# KiCad board frankenso.kicad_pcb (continued)
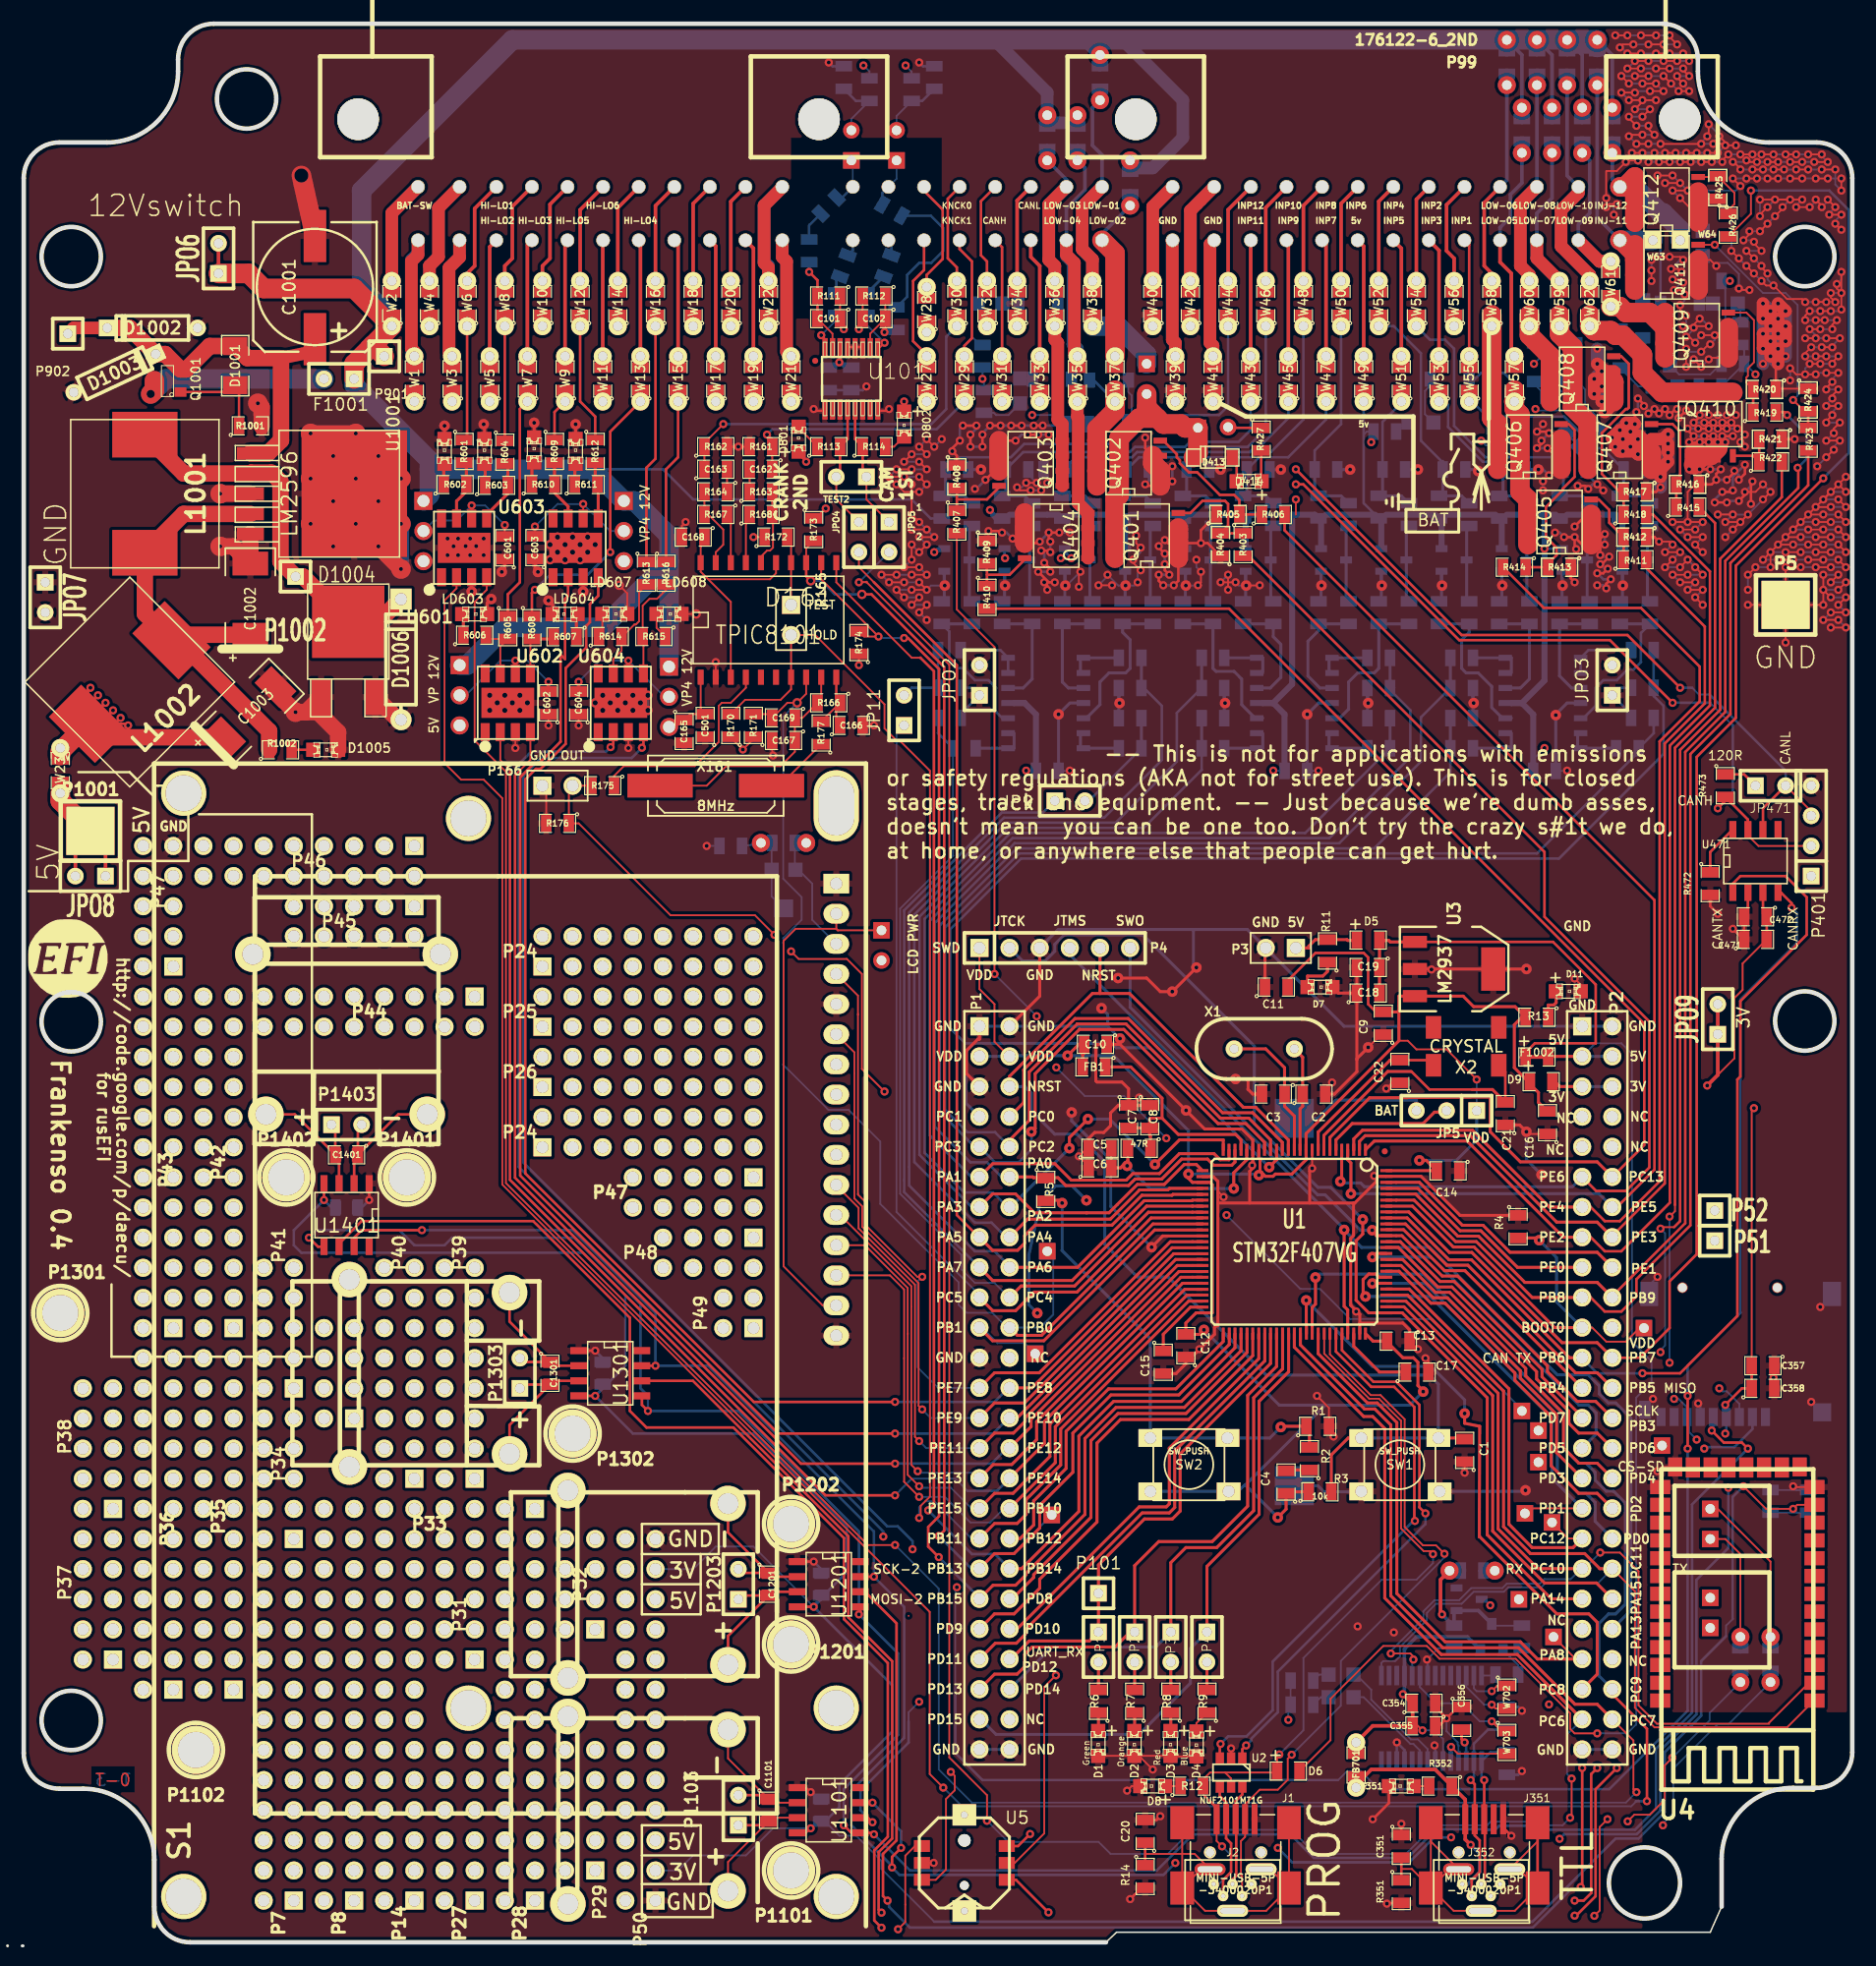
[diagram p0: board, top side]
## Nets (continued)
N-00000124: P99.12 W2.2
N-00000127: U5.3 W103.1
N-00000129: U5.1 W102.1
N-00000133: R99.2 RV101.1 RV101.2 W101.2
N-00000146: P99.55 W46.2
N-00000147: P99.35 W32.2
N-00000148: P99.26 W29.2
N-00000149: P99.27 W31.2
N-00000150: D12.1 P99.29 W35.2
N-00000151: D20.1 P99.50 W61.2
N-00000152: D17.1 P99.61 W58.2
N-00000153: D19.1 P99.62 W60.2
N-00000154: D21.1 P99.63 W62.2
N-00000156: P99.11 W21.2
N-00000157: P99.21 W20.2
N-00000158: P99.22 W22.2
N-00000159: D14.1 P99.30 W37.2
N-00000160: D15.1 P99.38 W38.2
N-00000161: P99.52 W40.2
N-00000162: P99.40 W41.2
N-00000163: D13.1 P99.37 W36.2
N-00000164: P99.53 W42.2
N-00000165: P99.41 W43.2
N-00000166: P99.54 W44.2
N-00000167: P99.42 W45.2
N-00000168: D16.1 P99.48 W57.2
N-00000169: P99.39 W39.2
N-00000170: D18.1 P99.49 W59.2
N-00000171: P99.10 W19.2
N-00000172: P99.25 W27.2
N-00000173: P99.33 W28.2
N-00000174: P99.28 W33.2
N-00000175: P99.36 W34.2
N-00000197: P99.6 W11.2
N-00000198: P99.13 W4.2
N-00000200: P99.3 W5.2
N-00000201: P99.14 W6.2
N-00000202: P99.4 W7.2
N-00000203: P99.15 W8.2
N-00000204: P99.5 W9.2
N-00000205: P99.16 W10.2
N-00000207: P99.2 W3.2
N-00000208: P99.17 W12.2
N-00000209: P99.7 W13.2
N-00000210: P99.18 W14.2
N-00000211: P99.8 W15.2
N-00000212: P99.19 W16.2
N-00000214: P99.9 W17.2
N-00000215: P99.20 W18.2
N-00000224: P99.34 W30.2
N-00000232: P99.1 W1.2
N-00000243: D435.2 D436.1
N-00000244: D435.1 R437.1
N-00000245: D431.1 R435.1
N-00000246: D429.2 D430.1
N-00000247: D429.1 R434.1
N-00000248: D431.2 D432.1
N-00000249: D433.2 D434.1
N-00000250: D433.1 R436.1
N-00000251: Q404.1 R409.2 R410.1
N-00000252: Q402.1 R405.2 R406.1
N-00000253: Q406.1 R413.2 R414.1
N-00000254: D415.2 D416.1
N-00000255: D414.1 R427.2
N-00000256: D413.1 D414.2
N-00000257: D425.2 D426.1
N-00000258: D421.2 D422.1
N-00000259: D421.1 R430.1
N-00000260: D423.2 D424.1
N-00000261: D423.1 R431.1
N-00000262: D425.1 R432.1
N-00000263: D427.2 D428.1
N-00000264: D427.1 R433.1
N-00000265: D415.1 R438.1
N-00000266: D417.2 D418.1
N-00000267: D417.1 R428.1
N-00000268: D419.2 D420.1
N-00000269: D419.1 R429.1
N-00000270: Q411.1 R423.1 R424.2
N-00000271: Q409.1 R419.1 R420.2
N-00000273: Q410.1 R421.2 R422.1
N-00000274: Q408.1 R417.2 R418.1
N-00000275: Q412.1 R425.2 R426.1
N-00000277: Q401.1 R403.1 R404.2
N-00000278: Q403.1 R407.1 R408.2
N-00000279: Q405.1 R411.1 R412.2
N-00000280: Q407.1 R415.1 R416.2
N-00000281: D220.2 R222.2 R223.1
N-00000282: D210.2 R212.2 R213.1
N-00000283: R294.1 U203.13 U203.14
N-00000284: R304.1 U203.8 U203.9
N-00000285: C250.2 R253.2 U202.12
N-00000286: C260.2 R263.2 U202.10
N-00000287: D300.2 R302.2 R303.1
N-00000288: D250.2 R252.2 R253.1
N-00000289: D260.2 R262.2 R263.1
N-00000290: D290.2 R292.2 R293.1
N-00000291: D270.2 R272.2 R273.1
N-00000292: D280.2 R282.2 R283.1
N-00000293: R314.1 U203.6 U203.7
N-00000294: C300.2 R303.2 U203.10
N-00000295: C290.2 R293.2 U203.12
N-00000296: C230.2 R233.2 U201.5
N-00000297: R234.1 U201.6 U201.7
N-00000298: R244.1 U201.1 U201.2
N-00000299: C240.2 R243.2 U201.3
N-00000300: R224.1 U201.8 U201.9
N-00000301: R274.1 U202.6 U202.7
N-00000302: R264.1 U202.8 U202.9
N-00000303: C280.2 R283.2 U202.3
N-00000304: R254.1 U202.13 U202.14
N-00000305: D310.2 R312.2 R313.1
N-00000306: R284.1 U202.1 U202.2
N-00000307: C270.2 R273.2 U202.5
N-00000308: C220.2 R223.2 U201.10
N-00000312: R214.1 U201.13 U201.14
N-00000313: C210.2 R213.2 U201.12
N-00000314: R324.1 U203.1 U203.2
N-00000315: C310.2 R313.2 U203.5
N-00000316: C320.2 R323.2 U203.3
N-00000317: D320.2 R322.2 R323.1
N-00000320: JP9.2 R294.2 R295.1
N-00000321: D230.2 R232.2 R233.1
N-00000322: D240.2 R242.2 R243.1
N-00000324: JP11.2 R314.2 R315.1
N-00000343: D702.1 R702.2
N-00000344: D702.2 U351.22
N-00000345: D701.1 R701.2
N-00000346: D701.2 U351.23
N-00000348: C701.2 C702.1 D703.1 Q701.3 W701.2
N-00000353: C701.1 Q701.1 R703.1
N-00000364: C356.2 U351.17
N-00000365: D351.1 R352.2
N-00000372: JP471.1 R473.1
N-00000373: R472.1 U471.8
N-00000376: R104.2 R109.1
N-00000377: R102.2 R107.1
N-00000379: R106.2 R110.1
N-00000380: R103.2 R108.1
N-00000381: R137.2 R801.2 W1002.2
N-00000382: R141.2 R802.2 W1003.2
N-00000384: D801.2 R113.1
N-00000385: D802.2 R114.2
N-00000387: C102.1 R110.2 R112.1 U101.10
N-00000388: C101.2 R107.2 R111.2 U101.15
N-00000389: C101.1 R108.2 R111.1 U101.16
N-00000390: C102.2 R109.2 R112.2 U101.9
N-00000392: LD604.1 R607.1
N-00000393: LD603.1 R606.1
N-00000394: LD602.1 R603.1
N-00000395: R603.2 R604.2 U601.5
N-00000399: R607.2 R608.2 U602.5
N-00000402: R605.2 R606.2 U602.7
N-00000403: R601.2 R602.2 U601.7
N-00000404: LD601.1 R602.1
N-00000405: LD605.1 R610.1
N-00000406: R609.2 R610.2 U603.7
N-00000410: LD607.1 R614.1
N-00000411: R613.2 R614.2 U604.7
N-00000412: LD606.1 R611.1
N-00000413: R611.2 R612.2 U603.5
N-00000417: R615.2 R616.2 U604.5
N-00000418: LD608.1 R615.1
N-00000419: R177.1 X161.2
N-00000421: C167.1 C169.1 D161.9 R166.2 X161.1
N-00000422: C166.1 D161.10 R166.1 R177.2
N-00000423: C163.2 R164.1
N-00000425: C162.2 R163.1
N-00000426: D161.16 R163.2 R168.2
N-00000427: D161.19 R164.2 R167.2
N-00000430: D161.17 R168.1
N-00000431: D161.18 R167.1
N-00000432: C168.1 D161.3 D161.15 D161.20
N-00000433: D1001.1 Q1001.1 R1001.1
N-00000438: D1005.1 R1002.2
N-00000440: C5.2 C6.2 R10.2 U1.21
N-00000441: C22.2 U1.9 X2.1
N-00000445: C21.2 U1.8 X2.2
N-00000446: C2.1 U1.12 X1.2
N-00000448: D4.1 R9.1
N-00000449: D7.1 R11.1
N-00000450: D8.1 R12.1
N-00000451: D11.1 R13.1
N-00000454: D1.1 R6.1
N-00000455: D2.1 R7.1
N-00000456: D3.1 R8.1
N-00000463: JP4.2 R9.2
N-00000464: JP3.2 R8.2
N-00000465: JP2.2 R7.2
N-00000466: JP1.2 R6.2
N-00000467: R1.1 R2.2 R5.2 SW2.1
N-00000468: D5.1 P3.1 R11.2
N-00000470: BT1.1 JP5.3
N-00000471: JP5.2 U1.6
N-00000475: C3.1 U1.13 X1.1
N-00000476: C17.1 U1.73
N-00000477: C15.1 U1.49
N-00000478: C4.2 R2.1
N-00000479: C7.2 C8.2 FB1.1 R10.1 U1.22

Pads without a net: D161 5 6; D703 3; J351 4; J352 4; P1 24 48; P2 7 8 9 10 22 41 44; P7 1 2 3 4 5 6 7 8 9 10 11 12 13 14 15 16 17 18 19 20 21 22 23 24; P8 1 2 3 4 5 6 7 8 9 10 11 12 13 14 15 16 17 18 19 20 21 22 23 24; P14 1 2 3 4 5 6 7 8 9 10 11 12 13 14 15 16 17 18 19 20 21 22 23 24; P24 1 2 3 4 5 6 7 8 9 10 11 12 13 14 15 16; P24#2 1 2 3 4 5 6 7 8 9 10 11 12 13 14 15 16; P25 1 2 3 4 5 6 7 8 9 10 11 12 13 14 15 16; P26 1 2 3 4 5 6 7 8 9 10 11 12 13 14 15 16; P27 1 2 3 4 5 6 7 8 9 10 11 12; P28 1 2 3 4 5 6 7 8 9 10 11 12 13 14 15 16 17 18 19 20 21 22 23 24; P29 1 2 3 4 5 6 7 8 9 10; P31 1 2 3 4 5 6 7 8; P32 1 2 3 4 5 6 7 8; P33 1 2 3 4 5 6 7 8 9 10 11 12 13 14 15 16; P34 1 2 3 4 5 6 7 8 9 10; P35 1 2 3 4 5 6 7 8 9 10 11 12 13 14 15 16 17 18 19 20 21 22 23 24; P36 1 2 3 4 5 6 7 8 9 10 11 12 13 14 15 16 17 18 19 20 21 22 23 24; P37 1 2 3 4 5 6 7 8 9 10; P38 1 2 3 4 5 6 7 8 9 10; P39 1 2 3 4 5 6 7 8 9 10 11 12 13 14 15 16; P40 1 2 3 4 5 6 7 8 9 10 11 12 13 14 15 16; P41 1 2 3 4 5 6 7 8 9 10; P42 1 2 3 4 5 6 7 8 9 10 11 12 13 14 15 16 17 18 19 20 21 22 23 24; P43 1 2 3 4 5 6 7 8 9 10 11 12 13 14 15 16 17 18 19 20 21 22 23 24; P44 1 2 3 4 5 6 7 8 9 10 11 12 13 14 15 16; P45 1 2 3 4 5 6 7 8 9 10; P46 1 2 3 4 5 6 7 8 9 10 11 12 13 14 15 16; P47 1 2 3 4 5 6 7 8; P48 1 2 3 4 5 6 7 8; P49 1 2 3 4; P50 2 4 6 7 8 9 10 11 12 13 14 15 16 17 18 19 20 22 24 26; P352 1 8 9; P1101 1; P1102 1; P1104 M; P1201 1; P1202 1; P1204 M; P1301 1; P1302 1; P1304 M; P1401 1; P1402 1; P1404 M; PIN_ARRAY_4X2 1 2 3 4 5 6 7 8; PIN_ARRAY_5X2 1 2 3 4 5 6 7 8 9 10; S1 7 8 9 10; U1 NC1; U4 3 4 5 6 7 8 9 10 11 14 15 16 17 18 19 20 23 24 25 26 27 28 29 30 31 32 33 34; U5 7; U101 2 7 NC; U351 2 3 8 9 10 11 24 27 28; U471 5; U601 1 8; U602 1 8; U603 1 8; U604 1 8; U1101 8; U1201 8; U1301 8; U1401 8; W1 1; W3 1; W4 1; W5 1; W10 1; W11 1; W14 1; W17 1; W18 1; W19 1; W20 1; W21 1; W22 1; W27 1; W28 1; W31 1; W32 1; W56 1; X2 3 4

## Via types
v1: diameter 0.889, hole 0.33, Top to Bottom, 80 vias
v2: diameter 0.686, hole 0.33, Top to Bottom, 873 vias
v3: diameter 0.79, hole 0.434, Top to Bottom, 39 vias
v4: diameter 1.092, hole 0.686, Top to Bottom, 1 via
v5: diameter 1.651, hole 0.33, Top to Bottom, 19 vias
v6: diameter 1.542, hole 1.186, Top to Bottom, 1 via

## Routing (per net, layer and track width the routed paths; a pad name or vN(x,y) marks a point on that pad's centre or on a via; arc(x,y) is an arc through that point)
/DD_HIP9011/5V: length 378.2
  Top w0.152: D6.2 110.14,17.04 110.14,20.53 114.59,24.98 118.25,24.98 119.33,23.9 125.74,23.9 130.34,19.31 130.34,17.99 130.72,17.61 v2(132.62,17.61) ; v2(65.95,124.8) 65.31,125.43 D801.1 ; v2(67.6,120.86) 66.77,120.04 R173.1 ; 54.39,102.45 54.96,103.02 C165.1 56.17,103.53 C501.2 57.06,103.91 D161.1 ; W49.1 W49.1 ; R170.1 59.6,101.56 v2(60.61,100.54) 61.5,101.43 R171.1 ; D802.1 v2(74.2,129.88) ; R172.1 v2(61.5,118.45) ; R174.1 v2(70.39,107.65)
  Top w0.216: v2(68.74,133.18) 68.8,133.24 U101.14 ; R401.2 101.57,127.66 R427.1 ; v2(128.18,117.48) 128.18,117.43 ; 132.58,17.65 v2(132.62,17.61) ; 126.21,74.62 127.36,75.78 132.49,75.78 132.49,80.73 128.9,84.33 U3.1
  Top w0.254: 114.27,84.45 114.66,84.45 ; 114.66,84.45 114.27,84.06 C19.1 C18.2 ; 114.66,84.45 115.04,84.45 115.17,84.33 U3.1 ; 131.35,74.67 128.62,74.67
  Top w0.305: 126.21,74.62 F1002.2 ; JPO8.2 4.35,92.41 P1001.1 6.89,92.41 JPO8.1
  Top w1.651: P1001.1 3.08,96.22 W23.1
  Bottom w0.152: v2(132.62,17.61) 135.16,17.61 135.9,18.35 135.9,45.91 137.19,47.2 137.19,48.98 135.54,50.63 135.54,74.89 134.65,75.78 132.45,75.78 131.35,74.67 ; v2(84.49,98.76) 84.51,98.74 C291.2 ; v2(105.32,98.76) 105.34,98.74 C251.1 ; v2(128.18,100.67) 127.22,99.72 C211.1 ; v2(74.33,158.2) 74.84,157.69 R141.1 ; v2(70.77,158.2) 71.28,157.69 R137.1 ; v2(106.59,18.75) 106.59,19.83 R701.1 R702.1 ; v2(123.6,28.4) 123.1,28.91 D703.2 ; R434.2 145,134.32 R436.2 144.62,134.64 143.42,135.85 143.42,139.72 R437.2 v2(143.8,140.04) ; R434.2 145.07,133.05 v2(145.96,132.16) ; R434.2 R435.2 ; v2(127.29,133.05) 127.73,133.5 R433.2 ; v2(122.84,126.58) 123.22,126.19 R431.2 ; v2(85,128.73) 86.9,128.73 87.66,127.97 R438.2 ; v2(113.57,126.45) 113.76,126.64 R430.2 113.19,127.34 112.94,127.08 ; v2(127.41,129.24) 127.54,129.12 130.34,129.12 130.8,128.65 R432.2 ; JPO8.1 6.89,92.41 P1001.1 4.35,92.41 JPO8.2 ; R428.2 v2(80.81,131.78) 80.93,131.66 R429.2
  Bottom w0.216: C104.1 68.3,132.74 v2(68.74,133.18) 69.18,132.74 C103.2 ; R250.2 112.94,121.31 W49.1 ; v2(81.44,120.73) 82.16,120.02 R310.2 ; v2(82.71,116.67) 82.67,116.71 D310.3 ; v2(88.3,116.67) 87.75,117.22 D300.3 87.75,117.01 v2(87.41,116.67) ; v2(76.74,117.18) 77.04,117.48 D320.3 ; D220.3 v2(128.18,117.48)
  Bottom w0.254: 83.09,120.33 82.77,120.02 R310.2 ; 87.22,120.33 R300.2 87.85,120.02 88.17,120.33 ; 92.3,120.33 R290.2 ; R290.2 92.83,119.8 ; R290.2 92.93,120.02 93.25,120.33 ; 97.38,120.33 R280.2 ; R280.2 97.91,119.8 ; R280.2 98.01,120.02 98.33,120.33 ; 102.46,120.33 R270.2 ; R270.2 102.99,119.8 ; R270.2 103.09,120.02 103.41,120.33 ; 106.9,120.33 106.59,120.33 ; 109.76,120.33 109.44,120.02 109.13,120.02 109.34,119.8 ; 113.89,120.33 114.21,120.02 ; 114.21,120.02 114.42,119.8 ; 114.21,120.02 114.52,120.02 114.84,120.33 ; 118.97,120.33 119.29,120.02 ; 119.29,120.02 119.5,119.8 ; 119.29,120.02 119.6,120.02 119.92,120.33 ; 124.05,120.33 R230.2 ; R230.2 124.58,119.8 ; R230.2 124.68,120.02 125,120.33 ; 129.13,120.33 R220.2 ; R220.2 129.66,119.8 ; R220.2 129.76,120.02 130.08,120.33 ; 134.21,120.33 R210.2 134.74,119.8 ; P2.4 131.35,74.67
  Bottom w0.508: 83.09,120.33 87.22,120.33 ; 88.17,120.33 92.3,120.33 ; 93.25,120.33 97.38,120.33 ; 98.33,120.33 102.46,120.33 ; 103.41,120.33 108.81,120.33 109.13,120.02 ; 105.32,104.46 106.9,106.05 106.9,120.33 ; 105.32,104.46 104.43,104.46 105.32,104.46 ; 105.32,104.46 106.27,103.51 C251.1 ; 109.76,120.33 113.89,120.33 ; 114.84,120.33 118.97,120.33 ; 119.92,120.33 124.05,120.33 ; 125,120.33 128.18,120.33 ; 128.18,120.33 129.13,120.33 ; 128.18,120.33 128.18,106.36 126.27,104.46 ; 130.08,120.33 134.21,120.33 ; 84.36,104.46 85.31,103.51 C291.2 ; 84.36,104.46 83.47,104.46 84.36,104.46 ; 126.27,104.46 127.22,103.51 C211.1 ; 126.27,104.46 125.38,104.46 126.27,104.46 ; 81.69,120.33 82.01,120.02 R310.2 ; D250.3 114.42,119.8 ; D240.3 119.5,119.8 ; D280.3 97.91,119.8 ; D290.3 92.83,119.8 ; D260.3 109.34,119.8 ; D270.3 102.99,119.8 ; D210.3 134.74,119.8 ; D230.3 124.58,119.8
/hi-lo/12V: length 421.5
  Top w0.305: JPO6.2 JPO6.1
  Top w1.651: 29.12,134.32 27.85,133.05 F1001.1 ; 29.12,134.32 29.43,134.64 P901.1 ; 29.12,134.32 W2.1 27.85,139.4 20.23,139.4 18.96,140.67 JPO6.1
  Bottom w0.216: 34.2,124.16 53.88,124.16 56.42,121.62 74.84,121.62 76.44,120.02 R320.2
  Bottom w0.305: D22.2 131.99,159.72 D22.2 ; D22.2 D21.2 ; D22.2 133.89,159.09 133.89,154.01 ; D22.2 D22.2 D22.2 ; D21.2 D19.2 ; D21.2 131.35,159.09 131.35,154.01 ; D21.2 D21.2 ; D19.2 D17.2 ; D19.2 128.81,159.09 128.81,154.01 ; D19.2 D19.2 ; D17.2 D17.2 D17.2 ; D17.2 126.27,159.09 126.27,154.01 ; D15.2 D15.2 D15.2
  Bottom w1.067: 44.99,160.36 81.82,160.36 ; 81.82,160.36 86.27,155.91 D13.2 D12.2 ; 81.82,160.36 89.44,160.36 ; 89.44,160.36 D15.2 D15.2 ; 89.44,160.36 92.62,160.36 ; 92.62,160.36 97.7,155.28 97.7,152.1 95.16,149.56 D14.2 ; 92.62,160.36 D17.2 D21.2 130.72,159.72 D22.2
  Bottom w1.651: D22.2 D22.2 41.18,160.36 28.48,147.66 28.48,139.4 W2.1 W2.1 ; 34.2,124.16 34.2,124.92 27.85,131.27 F1001.1 ; 34.2,124.16 47.91,124.16 P606.1 51.47,121.5 54.39,118.57 54.39,116.42 ; 34.2,124.16 34.2,122 P604.1 ; 54.39,116.42 48.8,110.83 40.55,110.83 37.37,107.65 P605.1 ; 54.39,116.42 P607.1
/Misc_Vias/3.3V: length 340.1
  Top w0.152: v2(141.89,72.22) 144.18,74.51 144.18,79.59 144.88,80.28 144.88,82.51 C471.2 ; v2(145.83,70.31) 145.64,70.12 C357.2 ; v2(66.33,9.61) 65.95,9.23 U1101.4 ; v2(144.94,38.44) 146.85,36.53 v2(149.13,36.53) 149.47,36.87 U4.12
  Top w0.216: v2(143.42,45.3) 144.81,46.69 C358.1 C357.2 ; U471.3 146.59,86.76 C472.1 C471.2 ; U1301.4 v2(48.17,46.06) ; U1401.4 v2(25.31,62.57) ; U1201.4 v2(66.58,28.28)
  Top w0.254: 129.07,72.51 129.45,72.13 131.35,72.13
  Top w0.305: v2(141.89,72.22) 142.78,73.11 JPO9.1 JPO9.2
  PWR w0.152: v2(145.83,70.31) 143.92,72.22 v2(141.89,72.22) 141.81,72.13 P2.6
  PWR w0.216: v2(143.42,42.88) 144.18,42.12 144.18,39.2 v2(144.94,38.44)
  Bottom w0.152: v2(149.13,36.53) 149.45,36.22 C24.1 C23.1 ; 76.74,1.73 72.3,6.18 72.3,6.85 70.17,8.97 68.74,8.97 67.53,10.18 C1102.1 66.9,10.18 v2(66.33,9.61) 63.15,9.61 60.87,7.32 56.42,7.32 55.15,6.05 P50.3 ; P50.23 56.42,31.45 58.33,33.36 61.5,33.36 v2(66.58,28.28) ; 144.04,27.25 143.48,26.69 143.48,25.8
  Bottom w0.216: v2(143.42,45.3) 143.5,45.21 P352.4 143.5,42.97 v2(143.42,42.88) ; v2(144.94,38.44) 144.04,37.54 144.04,27.25 ; 76.74,1.73 127.16,1.73 134.17,8.75 136.1,8.75 138.31,10.95 138.31,16.02 141.38,19.1 141.38,23.71 143.48,25.8 ; v2(48.17,46.06) 48.8,46.69 C1302.1 ; v2(48.17,46.06) 51.34,42.88 61.62,42.88 69.38,35.12 69.38,31.2 66.58,28.4 v2(66.58,28.28) ; v2(48.17,46.06) 50.71,48.6 50.71,54.54 47.12,58.12 23.4,58.12 22.77,58.76 22.77,60.03 v2(25.31,62.57) 25.94,61.93 C1402.1 ; v2(66.58,28.28) 67.22,28.91 C1202.1 ; v2(66.58,28.28) 73.19,21.67 73.19,17.75 68.74,13.3 68.74,11.39 67.53,10.18
  Bottom w0.254: P2.6 131.35,72.13
/mmc_usb_1/Vbus: length 19.5
  Top w0.305: v2(121.95,8.21) 121.5,8.67 J351.1 121.5,12.03 R352.1 118.97,14.56 113.57,14.56 112.3,13.29 FB701.1
  Bottom w0.305: v2(121.95,8.21) 122.72,7.45 122.72,5.93 121.69,4.9 J352.1
/PWR_buck_12V_switcher/5V-REG: length 32.9
  Top w0.216: v2(5.62,105.75) 5.42,105.55 L1002.2 ; v2(6.26,105.11) 5.42,104.28 L1002.2 ; v2(8.8,102.57) 8.66,102.71 L1002.2 ; v2(8.16,103.21) 7.67,102.71 L1002.2 ; v2(7.53,103.84) 6.4,102.71 L1002.2 ; v2(6.89,104.48) 5.42,103.01 L1002.2
  Top w1.382: L1002.2 6.56,101.57 C1003.1
  Top w1.651: L1002.2 3.08,100.37 W23.2
/PWR_buck_12V_switcher/VBAT: length 34.8
  Top w1.067: P902.1 4.2,136.08 D1002.2 ; 21.68,133.54 24.54,134.11 C1001.1
  Top w1.382: U1001.1 20.6,125.51 21.68,126.6 21.68,133.54 18.84,133.54 D1001.2 15.67,134.55 13.7,132.58 Q1001.2 11.92,133.88 D1003.2 8.92,136.08 D1002.2
/stm32f407_board/VDD: length 203
  Top w0.152: P4.1 80.55,80.35 81.82,79.08 81.82,75.9 83.05,74.67 P1.4 ; v2(122.46,72.73) 119.92,75.27 117.38,75.27 116.65,76 115.91,76
  Top w0.216: C11.2 106.52,81.05 108.87,83.4 112.94,83.4 113.32,83.01 113.32,79.08 113.98,78.42 C9.2
  Top w0.254: 115.91,78.48 115.86,78.48 115.86,78.47 115.91,78.42 C9.2 ; 115.91,78.48 115.91,76 108.08,68.17 U1.11 108.08,65.96 106.88,64.76 105.49,64.76 105.3,64.57 104.65,64.57 104.33,64.89 ; 115.91,78.48 115.91,79.75 U3.3 121.32,79.75 122.21,78.86 125.7,78.86 R13.2 126.27,77.98 125.64,77.34 125.64,73.72 126.72,72.64 126.72,72.58 127.67,71.63 127.67,70.8 C16.2 ; v1(105.7,35.81) 106.4,36.51 C4.1 106.52,37.97 R3.1 ; U1.75 113.72,50.67 C13.2 114.9,50.61 116.24,49.27 117.13,49.27 117.51,48.89 117.51,46.92 117.95,46.48 v1(117.95,46.42) ; v1(99.47,51.62) 99.09,51.24 C12.2 97.95,52.19 98.81,53.06 U1.50 100.19,53.06 100.19,63.85 99.98,64.06 U1.28 98.51,64.06 98.17,64.4 v1(98.17,64.76) ; v1(87.98,74.74) 88.93,75.69 C10.2 89.38,74.94 89.25,74.81 FB1.2 ; U1.100 119.07,65.05 C14.2 118.21,65.91 v1(117.64,65.91) ; 104.33,64.89 104.2,65.02 104.2,65.97 104.1,66.08 U1.19 ; 104.33,64.89 v1(104.1,64.67)
  Bottom w0.152: v2(122.46,72.73) JP5.1
  Bottom w0.254: v1(105.7,35.81) 102.97,38.54 ; 102.97,38.54 102.9,38.54 102.37,38.01 SW2.2 SW2.2 ; 102.97,38.54 109.7,45.27 ; v1(117.64,65.91) 120.75,65.91 122.46,67.62 JP5.1 ; v1(117.95,46.42) 116.81,45.27 109.7,45.27 ; 109.7,45.27 105.82,45.27 v1(99.47,51.62) ; v1(104.1,64.67) 104.01,64.76 v1(98.17,64.76) 98.17,68.42 91.85,74.74 v1(87.98,74.74) 83.15,74.74 P1.4 P1.3
GND: length 1449.5
  Top w0.152: v2(85.38,123.02) v2(84.49,123.02) ; v2(83.73,122.64) 83.98,122.38 v2(84.87,122.38) ; v2(85.76,122.38) 86.27,122.89 v2(86.27,123.02) ; v2(109,46.06) 110.02,45.04 R1.2 110.02,43.01 v2(110.4,42.63) ; v2(149.13,38.44) 149.2,38.37 U4.13 ; v2(93,12.78) 93.38,13.16 D8.2 ; D1.2 D3.2 96.7,15.67 D4.2 ; v2(95.16,14.56) 94.01,15.71 D2.2 ; v2(66.33,12.66) 65.95,13.04 U1101.1 ; 151.1,130.96 151.1,130.89 ; v2(114.84,71.97) 115.33,72.45 C22.1 ; P166.1 44.04,97.18 R176.2 ; v2(112.43,26.63) 112.43,26.75 ; v1(113.32,75.44) 114.4,76.51 C9.1 ; v2(110.27,72.47) 109.7,71.9 C2.2 ; v2(94.01,71.2) 94.67,70.55 C8.1 ; v2(118.65,82) 118.61,82.04 U3.2 ; v2(130.72,81.24) 131.23,80.72 D11.2 ; v2(103.54,65.49) 103.59,65.54 U1.20 ; v2(101.13,62.82) 100.74,63.2 100.64,63.2 ; v2(113.83,64.6) 113.86,64.56 U1.99 ; v2(112.3,53.17) 112.56,52.92 112.61,52.92 ; v2(117.51,49.99) 116.83,50.67 C13.1 ; v2(118.14,49.23) 118.4,48.98 C17.2 ; v2(99.09,49.99) 98.44,49.34 C12.1 ; v1(126.65,68.32) 126.84,68.13 C16.1 ; R420.1 147.73,130.96 R424.1 ; v2(142.02,133.43) 142.15,133.56 Q409.3 ; v2(141.38,132.8) v2(140.75,133.43) ; v2(140.11,132.8) v2(140.11,134.32) ; v2(141.38,134.07) 142.02,134.7 v2(142.15,134.7) ; v2(142.53,135.47) v2(141.38,135.47) ; v2(140.88,134.83) 140.37,135.34 v2(140.11,135.34) ; v2(140.75,136.1) 140.88,136.23 v2(142.02,136.23) ; v2(141.26,136.86) 140.62,136.23 v2(139.86,136.23) ; v2(140.11,137.12) 139.61,137.62 v2(139.61,138.01) ; v2(139.99,138.89) 139.61,139.28 v2(139.1,139.28) ; v2(139.86,139.91) 139.61,140.16 v2(138.97,140.16) ; v2(139.73,140.8) 139.48,141.05 v2(138.84,141.05) ; v2(139.86,141.82) 139.61,142.07 v2(138.72,142.07) 137.45,142.07 v2(137.19,141.82) ; v2(142.65,141.31) 142.15,141.82 Q411.3 ; v2(144.56,139.4) 144.69,139.28 v2(145.45,139.28) ; v2(139.61,147.02) 140.37,146.26 Q412.3 ; v2(138.97,147.66) v2(140.24,147.66) ; v2(138.34,148.29) v2(139.61,148.29) ; v2(138.97,148.93) v2(137.7,148.93) ; v2(143.92,142.58) v2(144.56,141.94) ; v2(145.19,141.31) v2(145.83,140.67) ; v2(146.46,140.04) 146.85,139.66 v2(147.48,139.66) 148.62,138.51 149.89,138.51 v2(150.15,138.26) ; v2(146.97,140.67) 146.46,141.18 v2(146.46,141.31) ; v2(145.83,141.94) v2(145.19,142.58) ; v2(146.46,142.58) 145.83,143.21 v2(145.83,143.34) ; v2(144.94,143.47) 145.45,143.97 v2(145.45,144.23) ; v2(146.34,144.23) v2(146.97,144.86) ; v2(147.61,145.5) 148.24,146.13 v2(148.24,146.26) ; v2(148.88,146.9) v2(147.61,146.9) ; v2(146.97,146.26) 146.34,145.63 v2(146.34,145.5) ; v2(146.34,146.9) v2(149.89,146.9) ; v2(149.39,146.26) v2(150.53,146.26) ; v2(151.04,146.9) 151.54,146.39 v2(151.54,146.26) ; v2(152.05,146.9) v2(152.69,146.26) ; v2(152.18,145.63) v2(153.2,145.63) ; v2(152.69,144.86) v2(153.2,144.36) ; v2(144.69,148.04) v2(144.05,148.67) ; v2(145.19,148.67) v2(146.08,148.67) ; v2(147.86,148.67) v2(146.97,148.67) ; v2(148.88,148.67) v2(149.89,148.67) ; v2(151.04,148.67) v2(152.05,148.67) ; v2(153.2,148.67) v2(153.2,147.66) ; v2(152.69,149.44) v2(151.54,149.44) ; v2(150.4,149.44) v2(149.39,149.44) ; v2(148.37,149.44) v2(147.48,149.44) ; v2(146.59,149.44) v2(145.7,149.44) ; v2(144.69,149.44) 144.18,150.07 v2(144.05,150.07) ; v2(145.19,150.2) 145.32,150.07 v2(146.08,150.07) ; v2(146.97,150.07) v2(147.86,150.07) ; v2(148.88,150.07) v2(149.89,150.07) ; v2(150.91,150.07) v2(152.05,150.07) ; v2(151.54,150.71) v2(150.4,150.71) ; v2(149.39,150.71) v2(148.5,150.71) ; v2(147.48,150.71) v2(146.46,150.71) ; v2(145.7,150.71) v2(144.69,150.71) ; v2(143.67,150.71) 143.16,150.2 v2(143.16,150.07) ; v2(142.27,150.07) v2(141.38,150.07) ; v2(140.5,150.07) v2(139.61,150.07) ; v2(138.72,150.07) v2(137.83,150.07) ; v2(136.94,150.07) 137.45,150.58 v2(137.45,150.83) ; v2(136.43,150.83) v2(135.54,150.83) ; v2(136.05,150.2) 135.16,150.2 v2(135.03,150.07) 134.27,149.31 133.38,149.31 v2(133.38,147.02) ; v2(138.34,150.83) v2(139.23,150.83) ; v2(140.11,150.83) v2(141,150.83) ; v2(141.89,150.83) v2(142.78,150.83) ; v2(143.42,151.47) 143.29,151.59 v2(142.4,151.59) ; v2(141.38,151.59) v2(137.96,151.59) ; v2(136.94,151.59) v2(135.92,151.59) ; v2(135.29,152.23) 135.42,152.36 v2(136.43,152.36) ; v2(137.45,152.36) 136.94,152.86 v2(136.94,153.12) ; v2(135.92,153.12) 135.29,153.75 v2(135.29,153.88) ; v2(136.43,153.88) v2(137.07,154.52) ; v2(135.8,154.52) 136.43,155.15 v2(136.43,155.28) ; v2(137.57,155.28) v2(135.29,155.28) ; v2(134.65,155.91) v2(135.8,155.91) ; v2(137.07,156.04) v2(138.21,156.04) ; v2(137.57,156.67) v2(136.43,156.67) ; v2(135.29,156.67) v2(134.65,157.31) ; v2(135.8,157.31) v2(136.94,157.31) ; v2(138.21,157.31) v2(138.84,156.67) ; v2(139.48,156.04) v2(140.37,156.04) ; v2(139.86,156.67) 139.35,157.18 v2(139.35,157.31) ; v2(140.37,157.31) 139.86,157.82 v2(139.86,157.94) ; v2(138.72,157.94) v2(137.57,157.94) ; v2(136.3,157.94) v2(135.16,157.94) ; v2(135.8,158.58) v2(136.94,158.58) ; v2(138.21,158.58) v2(139.35,158.58) ; v2(140.37,158.58) 139.86,159.09 v2(139.86,159.21) ; v2(138.72,159.21) v2(137.57,159.21) ; v2(136.3,159.21) v2(135.16,159.21) ; v2(134.53,159.72) 134.78,159.98 v2(135.67,159.98) ; v2(136.94,159.98) v2(138.21,159.98) ; v2(139.35,159.98) 138.72,160.61 v2(138.72,160.74) ; v2(137.57,160.74) v2(136.3,160.74) ; v2(135.16,160.74) v2(134.15,160.74) ; v2(141.89,152.23) 142.02,152.36 v2(142.02,153.25) ; v2(142.91,152.23) 143.67,151.47 v2(144.31,151.47) ; v2(151.04,138.26) v2(151.93,138.26) ; v2(152.69,138.26) 152.31,138.64 v2(152.31,139.02) ; v2(153.2,139.02) 152.81,139.4 v2(152.81,139.78) ; v2(153.2,140.8) v2(153.2,137.62) ; v2(152.31,137.5) v2(151.42,137.5) ; v2(150.53,137.5) 150.15,137.12 v2(150.15,136.74) ; v2(151.04,136.74) v2(151.8,136.74) ; v2(152.81,136.74) 152.43,136.35 v2(152.43,135.97) ; v2(151.42,135.97) v2(150.53,135.97) ; v2(151.04,135.21) v2(150.15,135.21) ; v2(151.93,135.21) v2(153.07,135.21) ; v2(152.43,134.45) v2(151.54,134.45) ; v2(150.66,134.45) 150.15,133.94 v2(150.15,133.69) ; v2(151.04,133.69) v2(151.93,133.69) ; v2(152.94,133.69) 152.43,133.18 v2(152.43,133.05) ; v2(151.42,133.05) v2(150.53,133.05) ; v2(151.04,132.16) v2(150.15,132.16) 149.39,132.16 v2(148.88,132.67) ; v2(151.93,132.29) v2(152.94,132.29) ; v2(152.43,131.53) 151.93,131.02 v2(151.93,130.89) ; v2(152.94,130.89) 152.43,130.39 v2(152.43,130.13) ; v2(151.93,129.5) v2(152.94,129.5) ; v2(152.43,128.73) 151.93,128.23 v2(151.93,128.1) ; v2(153.07,128.1) 152.56,127.59 v2(152.56,127.21) ; v2(151.93,126.58) v2(153.07,126.58) ; v2(152.56,125.81) v2(151.93,125.18) ; v2(137.19,140.93) v2(137.19,140.04) ; v2(133.38,146.26) 133.64,146.51 v2(134.27,146.51) ; v2(146.59,122.89) 145.96,122.26 v2(145.07,122.26) ; v2(147.23,122.26) v2(146.59,121.62) ; v2(142.78,120.35) v2(144.05,120.35) ; v2(143.42,119.72) v2(144.69,119.72) ; v2(145.32,120.35) v2(144.05,119.08) ; v2(140.24,119.72) 140.24,122.26 140.88,122.89 R416.1 ; v2(140.24,119.72) v2(138.97,119.72) ; v2(140.24,119.72) v2(141.51,119.72) ; v2(140.88,119.08) v2(139.61,119.08) ; v2(140.24,118.45) v2(141.51,118.45) ; v2(140.88,117.81) v2(141.51,117.18) ; v2(138.97,117.81) 138.72,118.07 v2(137.83,118.07) ; v2(138.34,117.18) v2(139.61,117.18) ; v2(138.97,116.54) v2(138.34,115.91) ; v2(139.61,115.91) v2(140.24,116.54) ; v2(140.88,115.91) v2(141.51,115.27) ; v2(140.24,115.27) v2(138.97,115.27) ; v2(139.61,114.64) v2(140.88,114.64) ; v2(140.24,114) v2(141.51,114) ; v2(140.88,113.37) v2(141.51,112.73) ; v2(151.04,115.91) v2(152.31,115.91) ; v2(153.58,115.91) v2(152.94,116.54) ; v2(151.67,116.54) v2(150.4,116.54) ; v2(149.13,116.54) v2(147.86,116.54) ; v2(146.59,116.54) v2(147.23,117.18) ; v2(147.23,117.18) v2(153.58,123.53) ; v2(147.23,117.18) v2(147.23,115.91) ; v2(148.5,117.18) v2(149.77,117.18) ; v2(151.04,117.18) v2(152.31,117.18) ; v2(153.58,117.18) v2(152.94,117.81) ; v2(151.67,117.81) v2(150.4,117.81) ; v2(149.13,117.81) v2(147.86,117.81) ; v2(148.5,118.45) v2(149.77,118.45) ; v2(151.04,118.45) v2(152.31,118.45) ; v2(153.58,118.45) v2(152.94,119.08) ; v2(151.67,119.08) v2(150.4,119.08) ; v2(149.13,119.08) v2(149.77,119.72) ; v2(151.04,119.72) v2(152.31,119.72) ; v2(153.58,119.72) v2(152.94,120.35) ; v2(151.67,120.35) v2(150.4,120.35) ; v2(151.04,120.99) v2(152.31,120.99) ; v2(153.58,120.99) v2(152.94,121.62) ; v2(151.67,121.62) v2(152.31,122.26) ; v2(153.58,122.26) v2(152.94,122.89) ; v2(145.96,115.91) v2(145.32,115.27) ; v2(152.94,115.27) v2(152.31,114.64) ; v2(153.58,114.64) v2(152.94,114) ; v2(151.67,114) v2(152.31,113.37) ; v2(153.58,113.37) v2(152.94,112.73) ; v2(153.58,112.1) v2(152.31,112.1) ; v2(151.67,111.46) v2(152.94,111.46) ; v2(153.58,110.83) v2(152.31,110.83) ; v2(102.14,114.64) v2(100.87,114.64) ; v2(101.51,115.27) v2(101.51,114) ; v2(90.58,114.38) v2(91.73,114.38) ; v2(89.06,115.53) 88.93,115.4 v2(88.93,114.26) ; v2(94.14,115.65) 93.51,116.29 v2(93.51,116.54) ; v2(94.14,117.56) 93.76,117.94 v2(93.76,118.57) ; v2(98.97,114.38) 99.22,114.64 v2(99.22,115.53) ; v2(104.17,114.38) 104.15,114.36 v1(103.03,114.36) ; v2(74.84,114) v2(76.11,114) v2(75.47,114.64) ; v2(73.57,114) v2(74.2,113.37) ; v2(75.47,113.37) v2(74.84,112.73) ; v2(76.11,112.73) v2(75.47,112.1) ; v2(74.2,114.64) v2(72.93,114.64) ; v2(72.3,115.27) v2(73.57,115.27) ; v2(74.84,115.27) v2(76.11,115.27) ; v2(75.47,115.91) v2(74.2,115.91) ; v2(74.84,116.54) v2(74.84,117.81) ; v2(75.47,117.18) v2(76.11,117.81) ; v2(75.47,118.45) v2(76.74,118.45) ; v2(74.84,119.08) v2(76.11,119.08) ; v2(75.47,119.72) v2(74.84,120.35) v2(74.84,122.89) ; v2(73.57,122.89) 74.2,122.26 v2(75.47,122.26) ; v2(76.11,122.89) v2(75.47,123.53) ; v2(74.2,123.53) v2(72.93,123.53) ; v2(73.57,124.16) v2(74.84,124.16) ; v2(76.11,124.16) v2(75.47,124.8) ; v2(74.2,124.8) v2(74.84,125.43) ; v2(76.11,125.43) v2(75.47,126.07) ; v2(76.11,126.7) v2(76.74,126.07) ; Q412.3 141.7,146.96 R425.1 ; v2(55.79,119.72) 55.47,119.4 C168.2 ; v2(63.15,100.03) 63.09,100.1 C167.2 ; v3(39.28,105.11) v3(39.91,104.48) U602.9 v3(39.28,103.84) ; v3(40.55,105.11) v3(41.82,105.11) ; v3(42.45,104.48) v3(41.18,104.48) ; v3(49.44,104.48) v3(48.8,105.11) ; v3(49.44,104.48) v3(48.17,104.48) ; v3(49.44,104.48) U604.9 ; v3(50.07,105.11) v3(51.34,105.11) ; v3(51.98,104.48) v3(50.71,104.48) ; v3(48.8,103.84) v3(50.07,103.84) ; v3(51.34,103.84) v3(52.61,103.84) ; v3(44.99,118.45) 45.9,117.54 U603.9 ; v3(46.26,118.45) v3(47.53,118.45) ; v3(48.17,117.81) v3(46.9,117.81) ; v3(45.63,117.81) v3(44.36,117.81) ; v3(44.99,117.18) v3(46.26,117.18) ; v3(47.53,117.18) v3(46.9,116.54) ; v3(45.63,116.54) v3(44.36,116.54) ; v3(41.82,103.84) v3(40.55,103.84) ; v3(50.2,114.38) 50.87,113.72 LD607.2 ; v2(114.89,3.26) 114.96,3.32 R351.2 ; W40.1 W40.1 ; R162.2 v2(60.23,126.07) R161.2 ; U4.22 137.93,39.48 v2(137.7,39.71) 138.06,40.07 U4.21 ; U2.2 v2(101.76,16.34) ; C6.1 89.76,65.43 v2(88.93,66.25) 89.61,66.93 C5.1 ; U5.5 v2(76.69,6.69) ; U1.10 v2(108.59,65.24) ; 41.44,102 v2(41.44,100.67) ; C166.2 v2(71.66,102.57) ; v2(145.32,112.73) P5.1 ; P5.1 v2(148.5,115.91) v2(149.77,115.91) ; P5.1 v2(151.67,112.73) v2(151.67,115.27) ; P5.1 v2(148.5,109.56) ; D161.2 v2(58.33,107.91) ; C1.1 v2(121.45,39.58) ; W42.1 W42.1 ; W41.1 W41.1 ; C602.1 v2(44.23,102.57) ; LD608.2 v3(56.68,111.97) ; C604.1 v2(46.77,102.57) ; W39.1 W39.1 ; U604.3 v2(50.96,100.67)